# KiCad board Rogelio Pineda part 3-AMLDC-2044B.kicad_pcb (continued)
## Routing (per net, layer and track width the routed paths; a pad name or vN(x,y) marks a point on that pad's centre or on a via; arc(x,y) is an arc through that point) (continued)
+V TERM: length 42.2
  Top w0.15: 86.27,150.64 87.29,152.64 87.77,153.92 88.35,155.44 88.66,156.98 89.05,158.75 ; J2.13 81.24,141.72 81.92,141.98 82.46,142.14 83.04,142.46 84.26,143.39 85.37,144.49 85.91,144.96 86.53,145.67 87.57,146.69 89,147.87 v1(90.17,148.82) 90.13,148.93 ; 86.32,150.77 86.12,150.25 85.56,149.36 84.89,148.1 84.12,147.15 83.12,146.21 81.9,145.62 80.61,144.84 J2.11 ; 89.05,158.63 89.63,161.23 89.9,162.55 v1(90.09,163.23) 90.09,163.35
/A77: length 20.5
  Top w0.15: 87.95,220.53 87.36,221.45 87,221.98 85.43,224.27 83.93,226.2 83.09,227.22 82.31,227.86 81.93,228.18 81.11,228.58 80.32,228.77 76.05,228.77 J1.77 ; 87.9,220.61 88.41,219.36 88.58,218.36 88.79,216.4 R36.1
/B49: length 56.8
  Top w0.15: 89.19,47.82 89.21,47.85 v1(89.24,47.85) 89.24,47.87 89.86,48.82 90.09,49.23 90.52,49.77 90.73,50.13 91.09,50.56 92.09,52.39 92.69,53.07 93.21,54.17 94.19,56.56 94.25,57.35 94.29,58.21 94.34,59.42 94.27,60.21 94.07,63.13 93.85,64.09 93.77,64.61 93.78,64.6 93.42,67.77 93.37,68.59 93.37,69.75 93.46,70.9 93.58,72.42 93.67,73.41 93.78,74.5 94.07,77.1 94.05,77.74 94.12,78.11 93.93,79.44 93.75,80.72 93.25,82.02 92.84,82.88 92.21,83.98 91.91,84.35 90.44,86.39 90.23,86.6 89.68,87.23 88.75,87.8 88.27,88.12 87.19,88.36 85.54,88.24 85.15,88.09 84.22,87.61 84.02,87.43 83.84,87.23 v1(83.49,87.01) 82.6,86.35 82.15,85.72 80.74,84.84 J2.49
/C14p2: length 7.6
  Top w0.15: C14.2 222.79,355.79 222.79,355.28 222.08,353.87 220.62,351.37 R29.1
/C31p2: length 3.2
  Top w0.25: C31.2 143.58,344.81 R94.2
/C58p1: length 1.9
  Top w0.25: C58.1 125.48,315.88 R71.1
/C58p2: length 20.8
  Top w0.15: C58.2 132.18,312.99 C59.2 132.12,311.22 131.92,307.23 131.92,300.62 C60.2 132.09,296.75 132.09,296.06 C61.2
/C59p1: length 1.7
  Top w0.25: C59.1 125.78,313.03 R51.1
/C60p1: length 2
  Top w0.25: R53.1 125.56,298.26 C60.1
/C61p1: length 2
  Top w0.25: R33.1 125.56,295.09 C61.1
/Pad6p6: length 2.6
  Top w0.15: 273.98,260.84 273.98,260.93 v1(274,260.96) 273.98,260.98 273.98,262.12 273.97,262.13 274.23,262.39 UG4.6
/Pad14p14: length 6.1
  Top w0.15: C12.2 269.12,274.15 267.88,273.95 267.4,273.71 267.39,273.7 267.04,273.37 266.84,273.05 266.61,272.61 UG4.14
/Pad15p15: length 2.7
  Top w0.15: C12.1 264.07,273.3 UG4.15
/Pad77: length 0.1
  Top w0.15: 88.78,213.63 R35.2
/R9p2: length 5
  Top w0.15: R9.2 162.36,316.87 161.19,315.69 160.58,314.84 C43.1
/R10p2: length 3.2
  Top w0.25: 143.38,334.03 143.43,334.09 v2(143.43,334.13) 143.48,334.13 143.53,334.19 R10.2
/R13p2: length 1.9
  Top w0.15: C15.1 201.71,332.03 R13.2
/R34P1: length 23
  Top w0.15: R34.1 86.23,203.27 87.21,202.24 87.76,201.38 R35.1 89.8,198.47 90.3,197.66 90.56,197.23 R15.1 92.59,194.25 92.66,194.11 R16.1 93.93,183.4 v1(94.06,183.26) 94.19,183.14
/R50P2: length 17
  Top w0.15: CR3.1 182.07,344.92 181.95,340.12 181.89,339.37 181.88,339.24 C28.2 181.05,337.02 179.26,334.96 178.43,333.65 177.18,331.71 v1(177.04,330.11)
/R56P2: length 14.5
  Top w0.15: R92.2 93.1,223.94 91.87,225.55 R17.2 90.38,227.87 90.08,228.36 ; R56.2 85.93,234.11 87,232.93 87.53,232.08 88.78,230.45 R36.2 90.23,228.13
/UG4A: length 5.7
  Top w0.15: 280.39,260.79 280.28,260.68 v1(280.2,260.68) 280.2,260.59 279.52,260.61 277.87,260.73 277.35,261.08 277.32,261.08 277.15,261.42 276.85,261.95 276.77,262.03 UG4.7
B1p2: length 12.5
  Top w0.25: UB1.2 150.32,354.74 148.73,355.99 147.58,356.38 146.48,356.29 145.18,355.79 143.65,354.65 R38.2 143.65,351.2 C45.2
B1p3: length 54.5
  Top w0.2: UE1.3 153.85,304.21 154.36,307.01 154.51,312.99 154.42,314.35 154.79,317.25 155.46,319.23 UD1.4 155.8,321.95 155.79,323.51 155.6,323.88 155.62,324.15 154.79,325.47 154.36,326.27 154.36,329.67 154.4,330.6 154.44,330.11 154.44,336.69 154.37,336.76 154.37,344.87 154.39,344.89 154.47,348.16 154.67,349.74 153.69,352.27 152.86,353.01 UB1.3
B1p9: length 6.4
  Top w0.25: UB1.9 160.48,362.3 160.95,362.77 160.97,363.01 R77.2 164.88,364.49 C16.1
B1p10: length 11.9
  Top w0.25: 157.94,361.32 158.25,363.17 157.15,364.5 156.27,364.8 155.25,364.91 153.91,364.94 R77.1
B1p12: length 38.3
  Top w0.25: UD1.8 163.11,329.38 161.1,330.68 159.71,332.04 159.37,333.32 159.23,336.84 159.32,342 159.37,350.93 159.16,356.14 158.53,357.38 157.31,358.08 154.79,359.01 153.41,360 UB1.12
B1p13: length 33.9
  Top w0.25: UB1.13 151.62,357.58 151.53,351.74 151.48,350.61 151.16,348.64 151.74,345.34 151.97,343.54 151.85,343.42 151.85,331.78 151.76,331.7 152,330.19 152.92,329.13 UD1.12
B2p4: length 7.4
  Top w0.15: UB2.4 196.15,352.75 195.72,352.48 195.18,351.37 194.52,350.72 193.87,350.45 193.01,350.13 R70.1
B2p5: length 11.3
  Top w0.15: UB2.5 198.78,352.48 199.1,352.05 199.64,351.28 200.69,349.88 201.2,349.52 202.18,348.68 202.24,348.68 202.24,348.47 C13.1 R70.2
B2p10: length 8.7
  Top w0.15: UB2.10 198.69,362.74 199.28,363.31 200.09,363.96 200.7,364.23 201.5,364.48 201.5,364.49 R91.2 204.15,364.29 C30.1
B2p11: length 8.1
  Top w0.15: R91.1 191.99,364.62 192.96,364.62 193.73,364.6 194.61,363.96 196.15,362.79 UB2.11
B2p13: length 50.7
  Top w0.15: UD2.13 191.07,328.38 190.95,328.73 190.97,329.14 190.72,329.87 190.31,331.04 190.24,331.63 189.88,334.62 189.79,334.71 189.79,338.17 189.81,338.2 189.88,344.51 189.36,347.59 189.25,349.09 189.38,350.26 189.5,351.51 189.84,352.94 189.88,355.65 190.81,356.85 192.3,357.8 ; 192.78,356.65 193.44,356.85 193.93,357.01 196.36,357.83 198.92,358.44 200.59,359.66 201.04,361.24 UB2.9 ; 192.78,356.65 192.89,356.24 193.23,355.31 UB2.3 ; 192.78,356.65 192.39,357.65 192.3,357.8 ; 192.3,357.8 192.12,358.08 191.81,359.21 191.53,360.07 UB2.13
B3p6: length 11.1
  Top w0.25: UB3.6 UB3.5 239,350.5 237.73,349.24 234.83,349.24 233.92,350.14 UB3.3
B3p8: length 16.7
  Top w0.25: UB3.8 UB3.9 241.54,358.1 239.83,356.38 235.13,356.38 233.92,357.6 UB3.12 UB3.13
B3p10: length 2.5
  Top w0.25: UB3.10 UB3.11
B4p1: length 23.8
  Top w0.15: UC4.9 273.81,343.4 272.78,344.61 271.83,345.22 270.96,346.3 270.92,347.88 271.15,349.5 UB4.5 271.5,351.7 269.87,353.42 268.24,353.83 267.64,353.91 264.49,353.85 263.95,353.68 263.52,353.46 262.97,353.16 262.67,352.91 262.52,352.71 261.72,352.05 261.72,351.39 UB4.1 261.34,351.48
B4p6: length 4.4
  Top w0.15: C42.1 273.17,348.02 273.57,348.98 UB4.6
B4p7: length 4.8
  Top w0.15: C42.2 278.1,347.91 276.64,349.95 UB4.7
B4p10: length 33.4
  Top w0.15: UB4.10 275.91,356.74 275.35,355.09 275.32,349.9 275.35,349.88 275.35,345.89 275.37,345.87 275.37,340.45 275.35,330.93 274.98,329.66 274.53,328.08 274.4,327.89 UD4.9
B4p14: length 6.5
  Top w0.15: C41.2 269.67,362 267.68,361.64 266.63,360.73 266.43,358.64 UB4.14
B4p15: length 2.9
  Top w0.15: 264.12,361.39 C41.1 264.08,358.83 UB4.15
B5p1: length 33.9
  Top w0.15: 298.66,317.74 299.5,319.02 299.8,320.78 300.13,322.07 300.2,323.33 300.24,323.87 300.23,324.61 300.11,325.25 300.13,325.72 300.15,326.56 299.45,329.02 299.59,329.46 299.84,331.02 300.22,332.56 300.25,346.05 300.26,346.07 ; 300.25,345.83 300.26,346.38 299.88,347.91 299.56,349 299.25,349.45 298.98,349.64 UB5.1
B5p2: length 9.1
  Top w0.15: UB5.2 301.52,349.67 301.56,349.45 301.66,348.87 301.96,347.61 301.8,344.9 301.59,343.66 301.32,341.58
B5p10: length 7.7
  Top w0.15: UB5.10 308.98,357.01 308.91,351.82 309.14,350.56
B6p6: length 7.7
  Top w0.15: UB6.6 356.23,351.54 356.05,351.98 355.97,356.84 356.23,358.19
B6p11: length 9.5
  Top w0.15: 346.07,350.56 346.43,352.01 346.64,352.58 347.37,353.3 349.05,354.41 349.73,355.17 350.23,355.79 350.31,356 350.77,357.07 UB6.11
B8p12: length 9.3
  Top w0.15: UB8.12 421.21,356.68 420.44,355.71 420.44,355.68 419.95,355.29 418.99,354.35 418.35,353.62 417.69,352.7 417.13,351.36 416.76,350.21
B15: length 17.4
  Top w0.15: 90.47,146.58 90.44,146.54 v1(90.44,146.5) 90.4,146.5 89.97,146.08 88.65,143.77 86.8,141.94 86.46,141.5 86.04,141.13 85.56,140.73 84.95,140.09 83.5,139.31 81.73,138.75 77.11,138.62 J2.15
B19: length 15.2
  Top w0.15: 91.67,133.64 v1(91.48,133.64) 91.21,133.64 89.67,133.58 88.55,133.38 88,133.21 86.83,133.11 85.48,132.96 84.22,132.79 81.68,132.46 J2.19
B23: length 16.5
  Top w0.15: 84.68,128.06 86.62,128.96 89.15,130.09 90.04,130.39 90.98,130.93 v1(91.71,131.24) 91.71,131.28 ; J2.23 81.65,126.32 82.75,126.94 83.64,127.45 84.82,128.15
B25: length 17.2
  Top w0.15: J2.25 81.17,122.81 82.33,123.06 83.53,123.53 ; 91.9,128.96 91.83,128.96 v1(91.75,128.88) 91.67,128.96 90.88,128.67 89.91,127.89 89.41,127.57 88.75,127.24 88.23,126.99 87.81,126.64 87.05,125.97 86.26,125.38 84.42,124.09 83.51,123.52
B27: length 17.6
  Top w0.15: 87.65,122.16 87.37,121.96 85.6,120.66 83.38,119.97 81.6,119.6 J2.27 ; 87.56,122.09 89.15,123.83 89.91,124.61 90.11,124.83 90.63,125.35 v1(91.83,125.99) 91.9,126.02
C0p5: length 28.2
  Top w0.25: UC0.5 122.28,340.44 123.01,342.31 123.93,344.54 123.18,348.54 120.63,352.34 117.29,355.19 R19.1
C0p9: length 17.6
  Top w0.25: 122.64,344.71 122.17,345.49 121.93,346.38 121.23,347.33 120.78,347.69 119.18,348.49 117.18,348.88 114.03,349.38 R49.1 111.18,353.04 CR1.1
C2p2: length 4.3
  Top w0.15: UC2.2 190.98,337.22 191.04,337.93 191.1,339.83 191.08,339.85 v1(191.08,339.96) 190.97,339.96 190.95,339.99
C2p6: length 8.5
  Top w0.15: C15.2 206.91,332.63 206.27,332.72 203.96,333.1 202.22,333.99 201.61,334.51 201.14,334.97 UC2.6
C2p13: length 12.3
  Top w0.15: UC2.13 196.06,343.02 197.42,341.66 198.21,341.34 199.05,341.28 200.12,341.14 202.08,341.19 204.42,341.25 205.1,341.48 205.82,342.25 UC2.9
C2p14: length 6.2
  Top w0.15: C29.2 196.15,347.21 194.55,345.92 194.09,345.4 193.52,344.44 UC2.14
C3p5: length 30.9
  Top w0.15: UC3.5 239.21,335.81 239.68,334.92 240.1,332.69 240.19,330.71 240.19,328.13 240.21,328.1 240,326.8 238.51,324.87 236.14,323.85 235.21,322.77 235,314.32 234.67,313.02 234.35,311.46 234.18,310.56 233.99,309.9 UE3.12
C3p9: length 13.8
  Top w0.15: UC3.2 231.9,338.54 232.21,339.34 233.39,340.65 235.66,341.27 238.92,341.89 240.29,342.58 240.94,343.51 UC3.9
C3p13: length 5.6
  Top w0.15: 230.1,339.62 230.04,339.56 v1(230.04,339.66) 230.13,339.66 230.47,340.8 230.94,342.58 231.06,342.95 UC3.13
C4p1: length 11.5
  Top w0.15: UC4.1 261.53,334.85 262.39,335.78 262.67,337.77 262.89,338.43 262.91,339.84 262.98,340.6 v1(262.81,345.42) 262.81,345.47 262.85,345.51
C4p3: length 16.8
  Top w0.15: UD4.2 264.47,319.8 264.89,320.91 265.22,323.31 265.35,324.06 265.47,326.48 265.39,326.56 265.39,328.92 265.35,329.55 265.39,331.55 265.98,332.63 UC4.3
C4p5: length 9.2
  Top w0.15: UC4.5 271.35,332.84 270.9,331.76 270.39,330.29 269.77,328.73 269.45,327.5 UD4.11
C4p13: length 7.6
  Top w0.15: UC4.13 264.15,341.14 264.17,338.14 UC4.2
C5p3: length 19.8
  Top w0.15: 308.82,317.74 309,318.97 309.03,319.5 309.03,319.51 309.25,320.38 309.36,320.99 309.71,321.71 309.79,322.72 v1(310,323.05) 310.02,323.07 310.09,327.36 310,328.12 309.62,329.19 309,329.87 308.22,330.32 307.76,330.54 306.94,330.65 306.26,330.88 305.48,331.24 304.32,332.31 304.11,333.12 UC5.3
C5p4: length 39.4
  Top w0.15: 313.9,325.36 313.5,327.52 313.02,329.06 310.61,330.58 309.78,331.03 308.26,331.77 307.86,332.14 307.81,332.14 306.87,333.08 306.87,333.49 UC5.4 306.4,335.21 306.42,335.23 305.96,336.52 305.61,337.43 305.16,337.98 305.13,338.04 304.57,338.29 303.68,338.26 302.7,337.55 302.69,332.46 302.83,329.36 302.66,328.03 302.52,323.69 302.32,322.92 302.14,321.59 302,321.22 301.82,320.15 301.55,318.68 301.2,317.74
C6p11: length 8.7
  Top w0.15: UC6.11 350.95,342.97 350.53,343.74 350.09,344.19 349.57,344.65 348.68,344.89 348.09,344.99 347.25,345.11 345.21,345.18 v1(344.67,344.94) 344.63,344.89
C7p5: length 18.5
  Top w0.15: UC7.5 389.77,333.15 389.46,332.37 389.14,331.98 388.78,331.35 388.24,330.56 388.07,330.34 387.77,329.9 387.55,329.54 387.08,328.75 386.77,327.6 386.61,326.66 386.73,326.06 386.66,325.61 386.36,324.1 385.84,322.98 385.3,321.77 384.4,320.37 383.95,319.45 383.57,318.91 382.72,317.56
C7p11: length 26.8
  Top w0.15: UC7.11 388.48,340.78 389.2,339.76 390.08,338.65 390.27,338.25 390.99,337.19 391.59,335.56 391.68,334.85 391.62,332.24 391.5,331.57 391.32,330.67 391.06,330.06 390.49,329.09 389.29,327.52 389.08,325.86 389.08,325.23 389.08,323.85 388.69,322.86 387.7,321.16 387.23,320.55 386.96,320.07 386.43,319.37 385.88,318.7 385.26,317.56
C7p12: length 7.7
  Top w0.15: 385.46,333.92 385.61,335.73 385.71,340.3 385.71,341.29 UC7.12
C7p13: length 13.6
  Top w0.15: 385.13,328.44 v1(385.13,328.46) 384.94,329.12 384.91,329.31 384.65,330.64 384.42,331.48 384.24,332.89 384.29,335.29 384.33,338.02 384.25,338.67 383.97,340.06 382.92,341.33 UC7.13
C8p5: length 19
  Top w0.15: UC8.5 426.71,332.83 427.46,331.88 428.03,331.23 428.73,330.49 429.39,329.75 429.95,328.81 430.07,327.73 430.34,326.78 430.47,324.72 429.71,323.26 428.5,321.54 427.65,320.18 427.37,319.66 426.77,318.79 426.79,317.37
C8p8: length 19.6
  Top w0.15: UC8.8 430.73,340.7 430.37,340.35 429.72,339.87 428.32,338.69 427.67,338.4 426.62,337.74 426.3,337.41 426,337.06 425.53,336.24 425.22,335.77 425.07,331.84 424.83,330.85 424.68,329.95 424.36,328.47 424.24,327.77 424.25,324.99
C8p10: length 17.8
  Top w0.25: UB8.11 426.11,355.71 427.41,354.13 427.93,351.31 428.13,350.29 427.78,347.26 427.48,345.81 427.28,344.79 426.84,341.29
D0p2: length 12
  Top w0.2: UD0.2 112.38,321.28 112.1,322.7 111.58,325.78 111.28,327.74 111.25,329.57 111.53,330.32 v1(112.39,332.12) 112.48,332.15
D0p3: length 7.5
  Top w0.2: UD0.3 114.66,318.84 114.15,318.02 113.46,317.39 112.74,316.88 111.37,316.16 110.49,316.25 R71.2
D0p9: length 43
  Top w0.25: UD0.13 113.23,327.34 113.83,326.34 114.98,325.84 121.73,325.69 ; 121.73,325.69 UD0.9 ; 121.73,325.69 121.28,324.28 120.53,321.94 120.39,320.96 UD0.5 121.88,312.49 122.43,311.24 122.58,310.69 122.64,310.63 122.64,309 122.03,307.94 121.43,307.13 120.68,306.74 119.93,306.59 119.18,306.53 118.03,306.49 115.88,306.53 113.93,306.88 112.48,308.34 112.48,309
D0p10: length 8.4
  Top w0.25: UD0.10 120.28,330.44 121.63,331.84 v2(123.83,332.13) 123.93,332.13 v2(125.73,332.19) 125.78,332.19
D1p3: length 40.1
  Top w0.15: UF1.4 155.23,284 154.9,284.56 154.84,284.66 154.44,285.02 153.52,285.95 152.53,287.29 151.78,288.87 151.84,290.68 151.94,290.78 151.61,297 151.18,297.89 150.89,301.17 UE1.2 151.38,304.17 151.91,306.93 151.88,311.34 151.84,314.33 151.94,317 152.92,319.32 UD1.3
D1p9: length 66.2
  Top w0.15: 155.71,266.06 158.32,269.46 159.34,271.57 159.57,275.55 158.35,277.92 157.96,278.75 157.58,279.49 157.19,281.03 156.92,281.81 156.92,285.92 156.91,285.91 156.92,286.33 156.92,293.16 157,293.24 156.49,296.09 156.49,298.02 157.29,300.13 UE1.5 157.55,303.66 157.06,305.2 156.87,310.81 155.69,312.67 155.46,314.69 155.72,316.22 156.55,317.67 158,319.11 UD1.5 158.6,322.15 159.41,323.82 v1(159.62,324.75) UD1.9
D2p2: length 4.6
  Top w0.15: C44.1 190.07,317.63 191.07,318.63 UD2.2
D2p4: length 56.7
  Top w0.15: 193.52,332.49 192.65,333.75 192.47,334.22 192.42,334.27 192.42,346.5 192.69,347.04 193,347.68 194.02,348.85 194.16,348.98 194.68,349.54 195.92,350.38 197.03,350.57 198.44,350.2 200.75,347.78 v1(200.63,347.61) 200.75,347.59 ; 194.95,304.2 194.93,304.22 v1(194.93,304.28) 194.86,304.28 194.84,304.3 194.84,311.45 194.49,312.34 194.18,313.31 193.17,314.88 193.27,316.14 193.93,317.14 195.21,318.25 195.88,318.54 195.88,319.09 UD2.4 196.06,319.45 196.06,320.48 195.86,321.64 195.71,322.49 195.36,323.6 195.13,324.68 195.03,324.78 195.03,330.03 194.06,331.62 193.46,332.55
D2p5: length 49.2
  Top w0.15: 195.03,297.9 193.79,296.59 192.53,294.61 192.22,287.13 192.19,286.39 192.19,283.27 192.35,282.82 192.74,279.9 193.16,278.8 194.69,276.59 196.15,275.04 UG2.11 ; 195.03,297.9 197.23,300.18 197.44,302.76 197.44,308.46 197.39,309.09 197.41,315.25 198.18,316.76 ; 195.03,297.9 195,297.77 ; 198.07,316.73 198.52,318.31 UD2.5
D3p6: length 7.9
  Top w0.15: UD3.6 240.89,318.31 239.96,315.96 239.61,315.54 239.14,314.21 C27.1
D3p7: length 7.7
  Top w0.15: C27.2 245.01,314.75 244.68,316.42 244.31,317.93 244.12,318.77 UD3.7
D3p10: length 11.2
  Top w0.15: UD3.10 243.42,326.8 242.38,325.59 240.63,324.31 238.65,323.17 236.88,321.91 UD3.4
D3p14: length 6.1
  Top w0.15: C25.2 236.28,331.67 235.12,330.98 ; UD3.14 233.76,329.27 235.2,331.03
D3p15: length 3.5
  Top w0.15: UD3.15 231.22,329.11 231.27,329.48 C25.1
D5p6: length 5.8
  Top w0.15: UD5.6 311,317.38 310.88,316.18 310.05,315.4 310.05,315.38 309.54,315.12 309.35,315.09 308.66,315.09 308.65,315.09 307.23,315.09
D5p7: length 2.7
  Top w0.15: 313.58,315.09 313.72,316.47 UD5.7
D5p14: length 5.8
  Top w0.15: 307.53,328.09 306.53,328.59 305.4,328.15 304.85,327.77 304.42,327.29 304.04,326.84 303.74,326.52 UD5.14
D7p5: length 11.7
  Top w0.15: UD7.5 390.51,316.14 390.67,315.54 390.96,314.36 391.3,313.1 391.38,312.53 391.69,311.42 391.9,310.79 392.02,310.24 392.27,308.86 392.45,308.36 392.53,307.99 392.61,307.24 392.78,306.13
D7p10: length 20.7
  Top w0.15: 395.32,306.13 395.04,307.38 394.93,308.3 ; UD7.10 390.34,324.89 391.03,324.37 391.81,323.48 392.09,323.08 392.35,322.79 392.75,322.33 393.26,321.57 393.65,320.89 393.86,320.32 394.11,319.4 394.09,314.82 394.15,314.03 394.28,313.32 394.31,312.31 394.41,311.63 394.5,311.15 394.64,310.17 394.8,309.1 394.97,308.01
D7p12: length 13.1
  Top w0.15: UD7.12 384.9,324.82 384.76,324.15 384.21,323.47 383.86,323.24 383.56,322.94 383.13,322.51 382.08,320.95 381.94,319.93 381.98,318.5 381.51,318.19 381.73,316.74 381.95,316.58 381.93,315.94 v1(381.81,313.73) 381.93,313.67
D8p9: length 13.4
  Top w0.15: 419.17,317.37 419.5,318.46 419.76,318.96 420.46,319.58 422.24,320.44 423.13,320.7 424.84,321.15 426.45,321.82 427.77,322.93 428.23,323.59 428.45,324.1 UD8.9
DCHI: length 244.4
  Top w0.15: v1(102.46,322.01) 103.17,320.96 103.57,319.72 104.39,316.48 104.41,315.2 104.45,314.68 104.42,314.38 104.39,312.39 103.93,310.59 101.37,306.07 99.86,303.66 99.33,302.19 98.88,298.9 98.57,296.29 98.5,295.92 98.37,295.36 97.76,293.26 97.44,292.18 97,290.84 96.45,289.08 95.65,285.56 95.53,273.14 95.57,271.02 96.66,268.43 96.86,268.19 97.07,267.78 99.62,263.57 100.16,261.38 100.36,260.22 100.68,254.57 101.17,253.15 101.06,248.38 100.43,245.5 100.43,242.21 100.37,242.14 100.54,231.96 100.57,230.21 101.05,226.69 102.04,224.69 101.96,224.79 103.22,222.91 104.58,219.19 104.72,218.94 104.72,216.45 ; 104.72,216.53 104.75,213.77 104.74,213.4 104.59,206.99 104.45,203.03 104.17,200.04 104.01,198.56 103.73,196.16 103.62,195.65 103.27,193.25 102.96,191.21 102.98,191.3 102.79,190.04 102.52,188.24 101.97,184.83 101.76,183.84 101.45,181.94 101.16,180.84 100.95,179.86 100.49,176.41 100.37,174.46 100.43,173.74 100.7,171.22 100.96,169.92 101.18,167.39 101.3,165.16 101.65,161.72 101.79,158.58 101.79,156.52 101.6,155.83 101.53,154.71 100.77,152.62 100.04,150.78 99.48,149.57 98.53,147.66 97.48,145.44 96.91,143.8 96.82,142.69 96.98,140.9 97.62,138.48 97.74,137.74 97.82,137.15 97.99,136.32 98.16,135.2 98.11,132.25 97.94,130.86 97.34,127.78 96.82,125.18 96.95,121.74 96.98,121.71 97.11,119.45 97.18,118.99 97.38,116.49 97.36,115.79 97.44,115.11 97.61,111.15 97.58,108.51 97.68,106.69 97.5,105.7 96.75,104.99 95.9,104.63 95.1,104.45 92.86,104.2 92.12,104.15 90.79,104.04 90.13,104.04 89.53,104.05 89.02,104 88.23,103.97 87.7,103.88 86.3,103.7 86.26,103.67 85.68,103.68 84.58,103.55 83.99,103.51 77.18,103.51 J2.37
DCHO: length 238.1
  Top w0.15: 102.16,200.27 102.44,202.93 102.54,203.93 102.66,205.01 102.78,206.64 102.8,207.08 102.8,212.48 102.78,213.05 102.74,214.09 102.75,217.95 102.49,219.22 101.17,222.52 100.77,223.41 100.4,224.01 100,224.87 99.24,226.27 98.9,227.64 98.86,227.84 98.53,231.35 98.64,234.96 98.53,239.12 98.53,239.71 98.56,240.29 98.65,245.58 98.72,246.01 99.07,247.26 99.22,247.63 99.37,249.21 99.37,250 99.24,251.27 ; 99.24,251.16 99.08,253.96 98.98,254.64 98.8,256.69 98.57,257.59 98.39,258.49 97.36,260.58 96.86,261.29 96.26,262.36 96.29,266.29 96.07,266.91 95.5,268.6 95.14,269.93 94.78,270.96 94.8,285.79 94.95,286.59 95.22,288.68 95.53,289.81 95.91,291.53 97.02,294.62 97.43,296.27 97.56,296.93 97.56,297.76 97.78,298.33 97.85,299.65 98.04,301.79 99.33,305.35 99.73,306.13 100.59,307.98 100.89,308.67 101.65,310.25 101.71,310.72 101.89,311.28 101.79,312.56 101.71,312.97 101.65,314.16 101.25,316.04 100.76,318.44 100.62,318.89 100.4,320.19 100.28,322.04 100.66,323.73 100.83,324.15 101.18,325.1 v1(101.16,325.12) 101.18,325.15 101.18,325.18 ; J2.33 81.82,109.88 85.97,110.01 89.74,110.2 92.01,110.29 93.35,110.51 93.65,110.62 94.64,110.89 95.38,111.59 95.69,113.13 95.51,116.1 95.32,116.93 94.89,121.87 94.8,123.85 95.27,127.38 95.69,129.37 96,131.26 96.21,132.46 96.22,135.62 95.06,140.76 94.78,142.86 94.96,143.94 95.55,145.41 95.94,146.83 96.63,148.01 97.15,149.16 97.8,150.63 98.44,152.04 98.7,152.82 98.99,153.51 99.35,154.23 99.9,156.54 99.86,157.49 99.87,158 99.79,159.52 99.79,160.54 99.78,160.7 99.72,162.06 99.63,162.88 99.59,163.72 99.02,169.45 98.62,172.22 98.55,172.77 98.42,174.1 98.39,174.75 98.47,175.53 98.48,176.33 99.55,183.41 99.96,185.74 100.37,187.94 100.8,190.78 101.23,193.59 101.5,195.3 101.64,196 102.05,199.6 102.18,200.46
DISK0 ACT: length 35.1
  Top w0.15: 92.43,282.58 v1(92.31,282.46) 91.94,281.11 91.15,278.98 90.04,275.76 89.35,273.79 88.43,271.1 87.11,267.41 86.43,265.68 85.52,263.4 83.99,260.17 83.72,259.82 83.29,259.14 80.92,255.71 79.68,254.46 J1.61
DISK1: length 28.5
  Top w0.15: 87.68,207.65 86.32,209 86.15,209.29 85.8,209.75 84.51,211.31 84.18,211.68 83.89,212.07 83.53,212.75 82.93,213.79 82.42,214.6 81.97,215.11 81.82,215.23 80.66,215.91 76.02,216.09 J1.85 ; 87.6,207.73 88.87,206.14 89.24,205.79 89.85,205.1 90.23,204.63 91.07,203.67 91.69,202.95 92.08,202.57 93.64,201.01 95.02,199.9 95.51,199.46 v1(96.28,199.07) 96.39,199.18
DISK2: length 26.7
  Top w0.15: R16.2 92.22,206.86 90.43,207.89 89.07,209.26 88.27,210.12 87.54,211.35 86.7,212.63 ; 83.84,217.38 83.06,218.63 82.71,219.66 81.91,220.74 81.58,221.14 81.11,221.89 80.23,222.46 J1.81 ; 83.89,217.28 84.37,216.45 85.14,214.95 85.92,213.7 86.95,212.29
DISK NEW REQ: length 34.7
  Top w0.15: J1.59 75.78,257.61 80.35,258.39 81.82,259.1 83.35,261.21 84.24,263.59 85.11,266.27 85.86,269.58 86.16,270.76 87.42,275.56 88.34,277.96 88.97,279.97 89.3,280.74 89.69,282.32 90.86,283.96 v1(92.13,285.07) 92.13,285.13
DISK PRES REQ: length 34.5
  Top w0.15: J1.57 79.94,261.24 80.52,261.26 81.28,261.5 82.74,262.92 83.21,264.28 83.87,266.14 84.35,268.18 85.9,274.24 86.35,275.6 86.8,277.15 87.14,278.25 87.56,279.1 88.03,280.49 88.35,281.5 89.54,284.51 90.15,285.21 90.43,285.54 91.14,286.39 91.4,286.65 92.26,287.63 v1(92.26,287.65) 92.29,287.65 92.3,287.67
DISK WR DATA: length 62.8
  Top w0.15: 92.56,269.4 92.56,269.34 v1(92.5,269.28) 92.56,269.22 92.56,269.1 92.16,269.07 91.64,268.88 91.25,268.4 90.92,268.15 88.42,265.42 88.09,264.91 87.52,263.97 86.57,262.29 85.1,259.47 83.69,257.31 82.83,255.58 81.68,253.79 79.18,251.28 J1.63 ; 95.8,248.54 95.04,247.66 94.82,247.49 94.28,247.12 91.67,245.15 90.86,244.59 89.75,243.76 87.67,242.11 85.9,240.79 85.42,240.44 83.39,238.75 82.62,238.4 82.11,238.29 81.39,238.24 76,238.34 J1.71 ; 95.7,248.44 96.05,248.79 96.25,249.22 96.55,250.7 96.5,251.82 96.47,252.26 96.53,252.6 96.44,253.3 96.41,253.74 96.23,255.08 95.82,255.59 95.46,256.2 95.12,256.65 94.69,257.11 94.57,257.34 93.58,258.81 93.23,259.28 v1(92.95,259.66) 92.88,259.59
DSK SEL: length 28.8
  Top w0.15: J1.67 75.89,245.06 80.18,245.06 80.18,245.56 81.19,246.23 ; 92.76,264.54 v1(92.79,264.41) 92.47,263.89 91.89,263.35 91.7,263.29 91.51,263.14 91.12,262.66 89.64,261.29 89.07,260.82 88.23,259.82 86.64,258.14 85.78,256.87 85.37,256.14 84.95,255.61 83.66,252.63 83.65,251.89 83.53,251.05 83.46,250.45 ; 81.15,246.19 82.36,247.4 82.87,248.11 83.05,248.43 83.3,249.63 83.47,250.54
DSK ~{RST}: length 28.1
  Top w0.15: 91,215.64 90.69,217.68 90.38,219.05 89.94,220.6 88.7,222.99 88.3,223.72 87.6,224.79 86.84,226.13 86.66,226.38 85.78,227.55 84.62,228.89 83.61,230.11 80.79,231.77 80.28,231.84 J1.75 ; 90.97,215.83 91.05,215.01 91.11,214.58 R17.1
E0p3: length 6.7
  Top w0.25: R53.2 111.51,298.3 113.44,299.14 114.43,299.7 115.02,300.29 UE0.3
E0p6: length 11.6
  Top w0.25: UF0.9 122.47,290.95 122.08,293.98 122,295.73 121.99,297.17 122.29,301.03 122.64,301.38
E0p11: length 9.6
  Top w0.25: 117.56,309 117.56,310.69 117.22,310.88 116.34,311.6 114.78,312.57 112.82,312.99 112.78,313.03 R51.2
E1p8: length 37.5
  Top w0.15: UG1.9 160.79,275.14 160.74,275.19 160.45,276.95 159.84,278.55 159.55,280.56 159.46,280.65 159.46,282.86 159.53,282.93 159.53,284.36 159.62,284.45 159.62,287.64 159.42,287.84 159.42,291.2 159.53,291.8 159.53,299.04 159.46,299.1 159.49,299.12 159.49,301.59 159.46,302.97 159.53,303.92 160.06,304.84 160.76,305.77 162.92,308.23 162.92,308.74 UE1.8
E1p9: length 6.9
  Top w0.15: UE1.9 160.59,309.25 160.59,310.29 159.57,311.04 159.28,311.11 158.39,311.96 157.73,312.46 v1(157.24,314.4) 157.2,314.37
E2p12: length 21.2
  Top w0.15: UE2.12 193.4,309.95 193.78,310.33 193.32,311.75 192.76,313.56 192.01,315.24 191.99,316.92 192.37,319.41 192.35,321.4 192.39,321.96 v1(192.39,329.78) 192.44,329.87
E2p13: length 4.7
  Top w0.15: UE2.13 190.86,310.16 191.06,310.36 191.02,310.4 v1(190.98,313.77) 191.02,313.81
E3p1: length 13.4
  Top w0.15: 230.38,314.29 v1(230.27,314.33) 230.3,306.79 229.99,305.16 229.92,304.43 229.48,302.92 228.91,302.54 UE3.1
E3p2: length 37.5
  Top w0.15: UG3.3 233.64,267.77 233.43,268.44 233,270.28 232.79,272.19 232.76,272.57 232.64,278.31 232.64,279.17 ; UE3.2 231.93,300.96 232.16,300.05 232.81,299.05 233.19,298.19 233.85,296.71 234.96,293.91 235.35,290.95 234.78,287.93 233.63,286.34 232.8,284.01 232.62,278.87
E4p3: length 9.5
  Top w0.15: UE4.3 266.76,300.05 267.47,300.59 268.15,301.47 268.66,301.78 269.34,302.09 271.27,302.71 273.84,302.79 v1(274.2,302.79) 274.22,302.8
E4p4: length 12.7
  Top w0.15: UF4.13 264.27,288.83 264.35,289.17 264.8,290.52 265.49,291.89 266.2,292.9 267.65,295.31 268.48,297.26 UE4.4
E4p6: length 37.1
  Top w0.15: UE4.6 274.1,298.6 274.1,294.65 273.99,294.28 273.95,294.2 273.95,293.45 v1(273.93,293.43) 273.95,293.4 274.23,292.7 275,291.3 275.43,289.85 275.51,288.13 275.58,285.37 275.43,285.11 275.45,282.06 275.58,279.77 275.51,275.29 275.45,274.78 275.45,271.9 275.4,270.58 275.32,270.15 275.09,269.34 275.04,268.92 274.79,268.29 273.51,266.28 272.37,264.88 UG4.5
E4p11: length 5.6
  Top w0.15: UE4.11 269.3,307.4 268.86,307.84 268.86,311.61 v1(268.95,311.61) 268.95,311.7 269.03,311.78
E5p4: length 20.2
  Top w0.15: 311.53,279.56 311.03,281.19 310.59,282.36 310.23,284.07 310.15,286.25 309.98,289.54 309.59,290.6 309.15,291.8 308.75,292.7 308.22,293.92 307.83,294.98 307.43,296.21 306.98,297.08 306.7,298.03 UE5.4
E5p9: length 42.5
  Top w0.15: UE5.9 311.84,305.03 312.3,304 312.51,303.42 312.59,301.78 312.68,300.92 312.67,300.68 312.7,297.12 312.76,296.59 312.86,295.25 312.97,293.64 313.06,292.52 313.22,291.43 313.66,289.15 313.69,288.49 314.07,287.19 313.4,285.76 312.76,284.65 312.62,283.68 312.6,282.9 312.56,282.13 312.63,281.74 312.6,277.79 311.76,276.92 310.53,276.34 307.06,276.28 304.77,276.49 303.68,276.86 302.77,277.44 302.28,277.86 302.11,278.12 301.81,278.41 301.37,279.56
E5p10: length 35.1
  Top w0.15: 305.05,291.83 305.03,290.91 304.84,290.24 304.58,289.39 304.08,288.39 304.31,287.59 303.91,287.19 ; 305.05,291.83 306.15,291.73 306.81,291.42 307.3,291 307.59,290.43 307.72,284.29 307.87,283.43 308.03,282.35 308.25,281.79 308.47,280.96 308.99,279.56 ; 305.05,291.83 305.23,293.59 305.17,294.12 305.33,296.49 305.13,297.91 305.21,300.19 305.38,301.65 305.66,302.12 306.06,302.79 306.35,303.08 308.06,305.03 308.28,305.3 308.41,306.05 UE5.10
E5p11: length 57.6
  Top w0.15: 301.32,252.88 301.17,253.98 301.03,254.37 300.72,255.05 300.47,256.36 300.46,257.02 300.46,257.87 300.41,258.17 300.3,261.42 300.16,273.96 299.75,274.68 299.49,275.28 298.97,275.98 298.52,276.52 298.2,277.22 298.13,277.33 297.67,278.32 297.64,279.11 297.54,279.64 297.58,280.2 297.82,281.22 297.99,281.69 298.27,282.09 298.64,282.84 299.25,284 299.66,284.66 299.86,285.16 300.26,286.42 300.23,289.18 300.21,289.91 300.2,295.19 300.31,296.8 300.01,299.46 300.5,300.34 300.56,300.65 301.4,301.78 301.83,302.3 302.27,302.73 303.31,303.55 303.79,303.85 304.2,304.14 304.92,304.66 305.96,305.63 UE5.11
E6p2: length 19.6
  Top w0.15: UE6.2 345.82,297.61 346.47,296.71 346.71,295.05 347.12,293.57 347.19,284.8 347.18,284.49 347.11,283.4 346.82,282.41 346.55,281.36 346.45,280.93 346.19,280.48 345.85,279.5 345.82,279.47
E6p9: length 15.5
  Top w0.15: UE6.9 355.98,307.64 356.41,308.59 356.65,311.12 356.82,311.78 357.07,314.5 357.24,316.26 357.17,321.4 v1(357.08,321.48) 357.05,321.51
E6p11: length 8.1
  Top w0.15: 353.44,298.56 353.34,299.52 352.99,300.11 352.7,300.92 352.25,302.07 351.8,303.54 351.62,304.22 351.3,305.26 UE6.11
E6p13: length 24.2
  Top w0.15: 345.82,287.09 345.87,288.51 345.78,289.9 345.43,291.56 345.38,292.35 345.24,293.21 345.08,293.96 344.89,295.92 344.75,296.69 344.75,300.56 344.83,301.53 344.88,301.73 344.92,302.38 345.09,303.56 345.4,304.56 UE6.13 345.82,307.35 346.11,307.63 346.11,310.7 346,310.81 v1(345.96,310.81) 345.96,310.85 345.92,310.88
E8p4: length 12.2
  Top w0.15: 421.41,286.69 421.77,288.47 422.03,289.07 422.29,290.75 422.61,292 422.95,293.46 423.02,293.77 423.31,294.9 423.47,295.38 423.52,296.55 424.4,297.63 UE8.4
E8p5: length 12.1
  Top w0.15: 429.03,286.69 428.66,288.12 428.27,289.97 427.82,291.95 427.19,294.65 427.05,295.35 427.02,295.79 426.85,296.15 426.69,296.89 426.56,297.42 426.51,297.88 UE8.5
Entrex Backplane S01B53 to S13B53: length 7.6
  Top w0.15: 83.27,75.67 83.19,75.67 v1(83.16,75.7) 83.13,75.67 82.96,75.67 80.83,77.8 J2.53
F0p2: length 17
  Top w0.25: UG0.3 UG0.12 114.97,273.6 114.94,274.53 114.44,276.23 113.5,279.24 112.92,280.75 UF0.2
F0p4: length 9
  Top w0.25: UG0.11 117.8,279.11 117.8,280.45 117.83,280.82 117.84,281.39 UF0.4
F1p2: length 17.3
  Top w0.15: UF1.2 150.98,281.17 151.6,279.66 152.2,278.1 152.97,276.36 153.6,274.4 UG1.12 153.77,272.17 154.9,271.14 156.27,271.05 157.03,271.25 157.65,271.77 158.03,272.19 158.26,273.38 UG1.10
F1p6: length 17.8
  Top w0.15: UF1.6 160.54,281.43 161.14,280.05 161.36,278.49 161.49,277.86 161.65,276.97 161.75,276.25 161.97,274.43 161.98,274 161.98,272.68 162.01,272.64 161.46,270.95 160.99,270.13 159.98,268.61 159.42,267.91 158.56,266.67 UG1.5
F1p10: length 7.9
  Top w0.15: UF1.10 158.26,290.22 158.26,291.25 157.94,297.13 158.15,297.43 v1(158.07,297.43) 158.07,297.51 158.11,297.47
F1p11: length 6.1
  Top w0.15: 154.75,295.99 v1(154.71,295.94) 154.79,294.44 155.18,292.89 155.46,291.22 UF1.11
F2p1: length 5.2
  Top w0.15: UF2.1 188.64,281.22 188.75,280.98 188.75,279.72 188.83,279.51 188.93,277.96 188.64,277.67 v1(188.51,277.67) 188.51,277.54
F2p2: length 6.5
  Top w0.15: UF2.2 191.12,281.63 191.32,281.43 191.32,281.31 191.61,280.19 192.08,278.67 192.16,277.78 192.35,276.44 v1(192.37,276.41) 192.35,276.38 192.35,276.25
F2p3: length 18.7
  Top w0.15: UF2.3 193.35,284.29 193.16,285.16 193.16,289.59 UF2.12 193.45,291.96 193.5,292.96 193.66,293.72 193.66,293.72 193.77,294.48 194.5,295.51 195.5,295.82 198.02,295.93 v1(199.47,295.61) 199.49,295.64
F2p5: length 7.6
  Top w0.15: UF2.5 198.74,281.52 199.05,281.22 199.73,280.3 200.41,279.33 202.54,276.38 202.54,276.33 v1(202.57,276.31) 202.54,276.28 202.54,276.17
F2p9: length 4.8
  Top w0.15: 201.23,294.8 201.28,294.74 201.28,294.67 v1(201.17,294.56) 201.28,294.45 UF2.9
F2p11: length 3.7
  Top w0.15: 195.08,286.71 v1(195.03,286.73) 195.76,289.07 195.76,289.65 UF2.11
F3p10: length 7.6
  Top w0.25: UF3.7 UF3.10
F4p1: length 11.5
  Top w0.15: v1(262.7,268.43) 262.89,269.04 262.98,271.71 262.58,273.3 262.17,274.82 261.98,275.58 261.81,277.34 261.79,277.97 UF4.1
F4p3: length 23
  Top w0.15: UF4.3 266.81,278.9 267.68,277.88 268.02,277.51 268.61,277.03 269.21,276.53 270.65,275.71 271.62,275.12 271.97,274.76 272.11,274.23 272.1,272.81 271.69,272.4 UG4.12 271.15,269.49 270.34,268.66 267.85,267.55 267.36,267.21 265.82,266.27 265.35,265.77 264.78,265.21 264.07,264.01 UG4.2
F4p11: length 26.4
  Top w0.15: UG4.4 269.59,264.68 270.1,265.39 270.28,265.62 270.83,266.57 271.34,267.36 272.11,268.21 272.87,269.52 272.94,271.85 272.97,272.26 273.05,275.47 273.03,276.83 272.99,280.8 272.95,281.39 272.42,282.82 271.43,284.51 270.21,286.27 269.35,286.77 UF4.11
F4p12: length 8.1
  Top w0.15: UF4.12 266.24,285.84 265.74,284.8 265.28,283.16 264.61,281.68 UF4.2
F5p9: length 12
  Top w0.15: UF5.9 311.31,288.18 311.13,289.18 310.96,290.39 310.6,291.23 310.34,292.78 310.29,293.17 309.43,296.3 309.07,297.75 308.79,298.81
F5p11: length 8.1
  Top w0.15: UF5.11 305.93,285.89 305.65,285.16 305.54,284.95 305.1,283.94 304.75,283.13 304.3,282.08 303.85,280.84 303.83,280.45 303.91,279.56
F5p13: length 42
  Top w0.15: 311.48,252.88 311.29,254.37 311.18,255.16 310.89,255.83 310.66,256.65 310.4,257.93 310.28,258.93 310.16,263.06 310.17,269.17 310.01,272.2 310.01,272.57 309.39,273.31 308.28,273.77 306.78,274.34 305.72,274.58 304.61,274.83 303.67,274.9 302.89,275.1 301.45,275.8 300.57,276.52 300.31,276.84 299.53,277.73 299.12,278.56 298.83,279.56 299.07,280.72 299.29,281.31 299.66,282.45 300.04,283.38 300.34,284.34 300.75,285.11 300.94,285.76 301.19,286.04 UF5.13
F6p11: length 8.1
  Top w0.15: UF6.11 350.9,286.58 351.1,286.38 351.27,286.1 351.53,285.49 351.78,284.57 352.05,283.7 352.41,282.53 352.74,281.5 353.44,279.47
F7p2: length 41.3
  Top w0.15: UF7.2 382.43,277.88 382.25,277.13 382.13,276.64 381.75,275.7 381.64,275.18 381.45,273.71 381.45,253.23 381.14,252.92 381.31,251.75 381.48,250.83 381.58,248.68 382.32,246.63 382.46,245.81 v1(382.48,245.23) 382.32,244.94 382.45,243.94 382.33,242.87 381.85,241.37 381.55,240.21 381.4,239.83 381.12,239.14 380.94,238.89 380.99,238.84 v1(380.99,238.79) 381.04,238.79 381.07,238.76
F7p3: length 34.1
  Top w0.15: UF7.3 384.91,278.11 384.45,277.22 384.17,276 383.89,274.99 383.89,272.41 383.91,272.1 383.94,271.59 383.91,269.61 383.78,269.19 383.5,266.71 383.28,265.58 383.08,264.62 382.52,263.48 382.52,262.63 383.01,261.03 383.54,260.17 384.05,259.4 384.54,258.94 384.91,258.44 385.34,258.25 386.46,257.42 387.66,256.7 389.98,255.87 390.3,255.73 392.71,255.02 393.45,254.64 394.21,254.27 394.42,253.7 395.02,252.56
G0p1: length 28.6
  Top w0.25: UG0.1 110.49,266.27 111.11,268.12 111.35,268.8 111.44,285.42 111.48,286.56 111.45,287.19 111.46,291.2 111.49,291.64 111.44,292.03 111.59,293.29 111.98,293.62 v1(111.98,293.71) 112.07,293.71 111.98,293.61
G0p2: length 2.4
  Top w0.25: JP6.1 112.58,263.67 UG0.2
G0p5: length 2.4
  Top w0.25: JP3.1 120.2,263.5 UG0.5
G0p6: length 2.4
  Top w0.25: JP2.1 122.74,263.51 UG0.6
G1p2: length 46.6
  Top w0.15: 149.24,312 149.3,311.94 v1(149.35,311.83) 149.27,288.77 149.47,288.25 149.3,288.07 149.24,281.13 149.47,279.66 149.9,277.56 150.41,275.57 UG1.13 150.82,272.3 150.92,266.64 150.63,266.34 UG1.2
G2p1: length 51.7
  Top w0.15: UK2.13 191.81,221.52 191.97,221.68 192.35,222.33 192.52,223 192.88,223.72 192.78,226.27 191.95,227.2 189.7,227.49 188.58,228.53 UJ2.1 188.58,229.72 190.12,231.22 191.44,233.21 192.34,235.29 192.64,239.76 192.85,240.66 192.74,242.65 192.78,243.19 192.55,245.28 192.45,245.89 192.45,258.26 191.9,259.83 191.9,260.02 190.04,263.33 189.35,264.64 188.53,265.46 UG2.1
G2p2: length 57.8
  Top w0.15: 197.93,262.79 199.49,262.17 200.09,261.86 201.57,260.3 202.4,257.6 202.64,255.23 202.61,252.71 202.64,251.77 202.64,245.25 202.58,245.2 202.74,235.14 203.6,233.82 203.58,232.8 202.61,230.21 202.61,226.78 202.94,225.56 203.39,223.21 203.61,222.63 203.72,221.33 203.81,221.23 ; 197.93,262.79 197.23,262.92 195.78,263.52 194.84,264.35 193.61,265.09 UG2.3 UG2.2 ; 197.93,262.79 198.48,263.65 198.69,264.38 UG2.5 ; 203.81,221.23 UK2.8 ; 203.81,221.23 203.8,221.49
G2p6: length 10.8
  Top w0.15: UH2.8 203.86,256.87 203.7,257.57 203.23,259.34 202.53,261.26 201.99,262.95 201.36,264.72 UG2.6
G2p10: length 20.9
  Top w0.15: UG2.10 198.69,274.82 198.26,275.25 198.1,275.86 197.76,276.99 197.42,278.67 197.29,286.52 197.31,291.94 v1(197.15,294.01) 197.23,293.91
G2p12: length 25.2
  Top w0.15: UG2.12 193.84,272.52 193.69,271.76 193.48,270.5 192.85,269.55 191.32,269.05 189.88,269.53 189.43,270.34 189.64,272.13 189.88,272.86 189.98,276.23 190.11,276.57 190.32,277.72 189.98,281.17 189.69,285.34 189.06,286.47 v1(189.06,286.89) 189.06,286.87
G2p13: length 2.4
  Top w0.15: 191.03,271.42 v1(190.98,271.42) 190.98,271.37 191.03,271.42 ; 191.03,271.42 191.07,271.46 UG2.13
G3p2: length 10.4
  Top w0.15: UG3.2 231.35,264.72 231.6,264.47 231.55,264.42 UH3.13
G3p8: length 9.5
  Top w0.15: UF3.6 241.78,281.38 241.98,280.49 243.47,276.59 243.62,275.72 243.96,275.27 244.05,275.18 UG3.8
G3p9: length 18.4
  Top w0.15: UH3.8 243.19,259.65 243.01,261.66 242.83,265.58 242.72,271.23 242.7,271.58 242.4,272.19 UG3.9
G3p11: length 17.9
  Top w0.15: UF3.11 241.23,289.28 240.86,288.25 240.5,287.59 240.28,285.45 240.43,283.27 240.28,281.54 239.71,279.55 237.61,276.25 UG3.11
G3p12: length 9.1
  Top w0.15: UG3.12 234.08,277.37 234.13,278.34 234.13,278.99 UF3.3
G5p3: length 5.5
  Top w0.15: UG5.3 303.91,263.71 304.13,264.16 304.04,265.78 303.89,267.15 303.87,267.6 v1(303.75,268.27) 303.75,268.24
G6p1: length 18.3
  Top w0.15: UG6.1 343.19,262.06 343.74,261.51 343.99,259.72 344.24,258.63 344.5,257.97 344.73,255.99 344.72,255.02 344.72,253.86 344.62,252.71 344.68,251.85 344.83,251.17 344.7,250.45 344.53,249.68 344.42,249.06 344.27,248.32 344.1,247.62 343.82,246.7 343.18,245.19
G6p2: length 57.8
  Top w0.15: 348.52,240.95 349.52,242.71 349.59,259.46 349.74,264.59 349.35,266.12 348.78,266.8 348.02,266.99 347.76,266.99 347.23,266.97 346.81,266.73 346.44,266.08 345.98,265.1 345.82,264.2 345.73,264.11 UG6.2 ; 348.52,240.95 348.76,240.03 349,239.61 349.67,238.75 350.23,238.12 350.23,237.89 350.5,237.29 350.8,236.19 350.8,235.64 351.59,235.17 351.94,234.87 352.42,234.35 352.84,234.04 353.28,233.78 353.7,233.22 353.94,232.89 354.19,232.49 354.47,231.98 354.47,223.85 354.14,223.53 v1(354.07,223.53) 354.07,223.46 354.11,223.49 ; 348.52,240.95 348.15,240.95 347.95,241.41 347.32,242.18 346.52,243.5 345.72,245.19
G6p3: length 10.5
  Top w0.15: UG6.3 348.27,262.11 348.76,261.2 348.87,254.69 348.26,254.08 348.26,252.81
G6p6: length 10.2
  Top w0.15: 355.88,252.81 355.61,253.84 355.74,260.98 355.74,261.73 355.89,261.88 UG6.6
G6p12: length 16
  Top w0.15: 353.27,256 353.24,256.03 v1(353.24,256.06) 353.21,256.06 353.24,256.65 352.95,257.18 352.7,257.98 352.26,259.46 352.23,260.58 352.2,261.62 351.93,265.32 351.92,265.62 351.34,266.68 351.04,267.13 350.6,267.86 349.65,269.01 349.3,269.48 UG6.12
G6p13: length 15.3
  Top w0.15: UG6.13 345.62,269.39 345.53,268.97 345.07,267.63 344.74,266.64 344.74,263.8 344.58,263.63 344.74,261.12 344.72,260.37 344.95,259.41 345.13,258.85 345.5,257.85 345.83,257.19 v1(346.79,256.12) 346.69,256.17
G7p6: length 6.5
  Top w0.15: 392.92,259.1 393.21,257.97 393.18,257.46 393.32,256.73 393.3,256.71 ; 392.99,258.77 392.68,260.23 UG7.6 ; 393.3,256.71 393.25,256.66 v1(393.3,256.66) 393.3,256.71
G7p10: length 14.7
  Top w0.15: UG7.10 389.93,271.12 389.71,271.69 389.11,272.27 388.7,272.79 388.54,273.03 387.51,274.8 387.03,275.58 386.77,276.12 386.47,277.13 386.45,277.63 386.45,283.71 v1(386.42,283.75) 386.45,283.79 386.45,283.86
G8p9: length 13.5
  Top w0.15: UG8.9 428.4,271.32 427.59,272.24 427.59,272.29 426.88,272.8 426,273.17 425.31,273.41 423.92,273.56 422.48,273.56 421.86,273.44 420.68,273.1 419.88,272.6 419.27,271.83 419.15,271.6 418.77,270.13
G8p10: length 11.1
  Top w0.15: 427.44,267.24 427.17,267.9 UG8.10 ; 427.68,259.3 427.68,259.46 v1(427.66,259.49) 427.61,266.45 427.42,267.32
H0p2: length 19.4
  Top w0.25: UH0.2 112.37,246.28 111.38,243.2 111.5,240.39 111.35,240.25 111.35,235.78 111.51,234.76 111.39,233.3 111.22,232.34 110.35,229.77 109.94,229.56 UJ0.1
H0p8: length 3
  Top w0.25: UH0.8 125.23,258.29 JP1.2
H0p9: length 3.3
  Top w0.25: JP2.2 122.97,258.2 122.97,257.19 ; 122.99,257.35 122.97,257.19 ; 122.97,257.19 UH0.9
H0p10: length 3
  Top w0.25: JP3.2 120.15,258.21 UH0.10
H0p11: length 3
  Top w0.25: JP4.2 117.83,258.29 117.83,257.34 UH0.11
H0p12: length 3
  Top w0.25: JP5.2 115.27,258.32 115.27,257.24 UH0.12
H0p13: length 3.1
  Top w0.25: UH0.13 112.53,258.14 JP6.2
H1p3: length 7.9
  Top w0.15: UH1.3 152.63,245.27 152.49,244.15 152.15,242.58 151.89,241.72 v1(151.81,240.57) 151.89,240.53 152,240.42
H1p5: length 13
  Top w0.15: UJ1.8 163.33,237.89 161.36,240.12 160.73,241.46 160.35,242.13 159.57,243.48 158.6,245.94 UH1.5
H1p10: length 19.3
  Top w0.15: UH1.10 158.27,256.9 157.66,257.83 157.03,258.44 156.18,259.01 154.57,259.26 153.32,259.15 152.41,258.94 152.01,258.46 151.85,257.12 151.98,255.29 151.83,253.6 151.65,252.78 151.24,250.47 150.94,249.47 UH1.2
H1p11: length 7.6
  Top w0.15: UH1.11 UH1.4
H2p1: length 4.7
  Top w0.15: 188.58,243.26 188.58,243.27 v1(188.63,243.32) 188.58,243.36 UH2.1
H2p12: length 14.6
  Top w0.15: UH2.5 198.38,249.33 197.71,250.18 197.27,250.9 196.51,251.93 ; 196.51,251.93 195.9,251.93 194.18,250.04 UH2.3 ; 196.51,251.93 196.17,252.4 195.19,253.76 193.66,255.54 UH2.12
H3p4: length 11.2
  Top w0.15: 237.78,258.99 v1(237.78,258.95) 237.82,258.95 237.66,253.6 237.59,253.05 237.41,251.2 237.05,249.85 UH3.4
H3p5: length 6.5
  Top w0.15: 238.87,241.54 v1(238.87,241.72) 238.87,246.44 239.17,246.74 UH3.5
H3p9: length 7.6
  Top w0.15: UH3.9 241.57,253.81 241.55,250.89 UH3.6
H3p12: length 19.5
  Top w0.15: UJ3.13 231.79,238.48 232.02,239.1 232.39,240.7 232.7,241.97 232.87,245.97 232.84,246.33 232.87,247.51 232.87,251.92 233.07,253.72 233.25,254.33 UH3.12
H4p6: length 6.3
  Top w0.15: C11.1 271.44,241.52 271.83,241.97 272.08,242.43 272.76,243.27 273.06,243.78 274.23,245.14 UH4.6
H4p7: length 7
  Top w0.15: R67.1 276.86,240.49 C11.2 276.97,240.6 276.97,242.55 276.89,242.74 276.81,243.33 276.82,244.01 UH4.7
H4p12: length 19.5
  Top w0.15: UG4.10 276.77,270.12 276.2,269.63 275.99,269.18 275.65,268.51 275.53,268.13 275.43,267.57 275.4,266.23 275.34,262.3 275.42,260.89 275.42,260.53 275.22,258.91 274.81,258.02 274.32,257.19 273.66,256.18 272.79,255.18 271.69,253.99 UH4.12
H4p14: length 5.5
  Top w0.15: UH4.14 266.61,254.47 266.79,255.08 267.34,255.67 268.46,256.05 C56.2
H4p15: length 3.1
  Top w0.15: C56.1 264.07,255.32 UH4.15
H5p5: length 4.9
  Top w0.15: 308.74,240.43 308.74,240.47 v1(308.8,240.54) 308.74,240.6 308.74,243.99 308.74,244.09 308.77,244.38 UH5.5
H5p6: length 13.9
  Top w0.15: 298.79,247.84 v1(298.82,247.92) 305.26,248.02 306.79,248.08 307.29,248.08 308.25,247.98 309.11,247.73 309.81,247.33 310.47,246.9 310.93,246.21 UH5.6
H5p12: length 5.3
  Top w0.15: 303.86,258.06 303.86,258.01 v1(303.83,257.99) 303.86,257.96 303.86,255.86 ; UH5.12 303.72,253.88 303.69,254.28 303.86,255.91
H6p13: length 5.5
  Top w0.15: UH6.13 346.28,251.74 346.56,250.57 346.73,248.55 346.91,248.37 346.91,247.81 v1(346.87,247.78) 346.91,247.74 346.91,247.6 346.93,247.58
H7p3: length 10.4
  Top w0.15: 384.86,244.94 385.08,244.72 385.34,243.79 385.59,243.17 385.64,243.17 385.78,242.76 386.76,241.38 386.8,241.23 386.89,241.11 387.22,240.79 387.72,240.27 387.9,239.91 388.23,239.54 389.21,238.1 389.74,237.23 389.94,236.1
H7p12: length 9.2
  Top w0.15: 384.86,252.56 386.02,250.82 ; 389.94,244.94 389.53,245.82 389.36,246.16 389.19,246.67 388.69,247.49 387.76,248.6 387.44,249.06 387.03,249.6 386.04,250.82
J0p3: length 2.5
  Top w0.25: 115.23,226.57 v3(115.15,226.57) 115.15,226.66 115.02,226.78 UJ0.3
J0p10: length 14.3
  Top w0.25: 120.28,241.22 120.31,241.24 v1(120.31,241.19) 120.25,241.19 120.34,239.96 UJ0.10 119.5,235.12 118.2,234.62 117.35,234.59 115.86,234.56 114.79,234.62 113.84,235.04 112.99,235.63 112.48,236.56
J1p1: length 25.8
  Top w0.15: UJ1.1 148.44,227.83 148.76,226.77 148.99,225.85 149.09,224.79 149.35,220.14 149.29,219.26 149.39,217.93 149.46,217.75 149.3,217.2 149.35,215.75 148.97,214.45 UK1.1 148.17,210.66 148.27,209.99 148.44,209.08 148.89,206.8 149.17,205.66 149.5,203.74 149.55,203.69 v1(149.59,203.69) 149.59,203.64
J1p11: length 8.4
  Top w0.15: UJ1.11 155.79,238.07 155.54,238.95 155.52,239.62 155.21,240.47 155,242.15 154.73,243.34 154.45,244.09 154.45,244.5 v1(154.49,244.53) 154.45,244.57 154.45,244.59
J1p13: length 70.9
  Top w0.15: 152.07,227.57 152.08,229.33 152,229.41 151.73,233.31 151.11,235.4 UJ1.13 ; UM1.13 150.73,172.07 150.73,172.08 150.13,173.68 149.7,176.99 149.78,178.53 149.66,178.66 149.66,180.22 149.81,180.37 149.72,180.45 149.72,183.38 150.05,184.6 UL1.13 150.73,188.46 154.98,193.19 155.23,197.97 154.98,199 155.15,199.27 154.2,201.46 153.36,202.36 v1(153.3,202.41) 153.36,202.47 153.36,202.6 151.13,205.77 150.56,206.88 149.53,209.16 149.29,212.87 150.35,215.18 151.27,216.86 151.92,218.62 152.09,221.4 152.11,221.41 151.97,226.1 152.08,227.81
J2p4: length 9.5
  Top w0.15: UK2.12 193.71,221.39 194.45,223.4 195.02,225.37 195.83,226.96 UJ2.4
J2p10: length 4.8
  Top w0.15: v1(201.89,233.51) 201.82,233.58 201.82,233.61 ; v1(201.89,233.51) 201.82,233.44 201.82,233.41 ; v1(201.89,233.51) 201,234.13 200.01,234.78 199.39,235.15 UJ2.10
J2p11: length 6.9
  Top w0.15: 196.18,243.11 v1(196.2,243.21) 196.32,240.89 196.42,236.73 UJ2.11
J2p12: length 10.3
  Top w0.15: UJ2.12 195.15,234.78 196.25,233.1 196.9,232.04 197.1,231.6 197.75,230.71 198.39,229.86 UJ2.5 198.37,229.92
J2p13: length 6.7
  Top w0.15: UJ2.13 v1(191.05,243.08) 191.12,243.11 191.16,243.15
J3p3: length 65.5
  Top w0.15: UF3.14 233.63,289.13 232.79,288.6 232.12,288.27 231.39,287.82 230.74,287.22 230.34,286.25 230.22,285.54 230.15,277.11 230.88,275.71 231.35,274.87 UG3.13 230.97,271.63 230.84,271.22 230.64,270.8 230.35,269.57 229.81,267.85 UG3.1 229.55,264.59 229.73,264.2 230.05,263.61 230.24,262.39 230.32,261.36 230.32,247.63 ; 230.32,247.76 230.25,235.39 230.39,235.06 230.42,234.26 230.61,233.68 231.24,232.7 232.56,231.16 233.48,230.17 UJ3.3
J3p8: length 17.9
  Top w0.15: 243.63,218.95 v1(243.71,219.04) 243.51,219.79 243.15,222.53 243,223.74 242.91,227.56 242.94,227.59 242.91,227.61 242.92,232.94 243.43,234.58 243.71,235.33 UJ3.8
J3p11: length 46.9
  Top w0.15: UJ3.11 237.25,235.23 237.75,233.98 237.9,232.19 237.89,231.2 237.96,226.98 237.93,227.04 237.84,220.73 237.73,218.14 237.7,213.45 237.68,210.67 237.67,209.2 237.67,205.65 235.85,200 235.51,196.96 235.34,194.23 236.75,192.12 237.09,191.89 237.54,191.39 237.64,191.28 v1(237.74,191.28) 237.74,191.19 237.8,191.13
J7p6: length 5.1
  Top w0.15: UJ7.6 392.05,228.05 391.94,227.04 391.52,226.2 391.46,225.83 391.21,225.01 390.48,223.94
K0p1: length 6
  Top w0.25: UK0.1 115.39,208.61 C57.1
K0p5: length 6.1
  Top w0.25: UK0.5 124.98,206.52 C64.1
K0p10: length 4.3
  Top w0.25: UK0.10 125.55,217.58 125.55,218.71 125.48,219.89 C72.1
K1p5: length 5
  Top w0.15: UK1.5 158.25,207.81 158.42,207.64 v1(158.42,207.6) 158.45,207.6 158.49,207.57
K1p9: length 14.2
  Top w0.15: UK1.2 151.82,215.46 153.14,216.18 154.58,216.43 157.23,216.57 158.27,217.11 159.64,217.72 160.5,218.76 UK1.9
K1p10: length 24.9
  Top w0.15: 157.08,243.1 157.08,243.21 ; 157.08,243.1 v1(157.12,244.56) 157.08,244.54 ; 157.08,243.1 157.08,241.44 157.08,240.71 157.17,240.69 156.95,236.56 157.06,234.99 157,233.94 157.04,229.43 157,227.78 156.88,226.89 157.02,225.48 157.11,223.78 157.55,222.02 UK1.10
K2p2: length 13.8
  Top w0.15: 189.89,225.72 189.89,225.69 v1(189.93,225.65) 189.89,225.62 189.89,218.13 190.1,215.67 190.47,214.85 190.78,213.73 191.16,213.08 191.17,213.06 UK2.2
K2p9: length 17.3
  Top w0.15: 202.51,203.03 v1(202.45,203.12) 202.59,217.06 202.5,217.93 202.28,218.8 UK2.9 201.43,219.79
K2p11: length 33.9
  Top w0.15: UK2.11 197.03,217.59 197.17,216.9 197.48,214.89 197.48,205.8 197.51,205.76 v1(197.52,205.73) 196.83,204.4 195.97,201.6 195.53,197.8 195.56,193.63 194.78,191.14 194.46,190.34 193.56,188.7 UL2.12
K5p1: length 19.8
  Top w0.15: 306.22,179.31 305.35,180.27 305.05,180.75 304.4,181.44 304.15,181.82 303.71,182.44 303.38,182.88 302.72,184.21 302.61,185.85 302.61,186.16 302.54,189.5 302.45,190.32 302.32,191.08 302.06,191.63 301.87,192.02 301.67,192.46 300.82,193.66 300.18,194.4 299.94,194.74 299.44,195.34 299.05,195.83 298.83,196.33 UK5.1
K5p3: length 19.9
  Top w0.15: UK5.3 303.87,195.92 304.33,195.36 304.88,194.83 305.97,193.69 306.36,193.35 307.2,192.58 307.59,192.19 308.28,191.51 308.99,190.49 309.3,189.94 309.55,189.26 309.79,188.43 309.99,187.43 310.08,185.27 310.08,184.5 310.13,183.43 310.15,182.61 310.55,181.18 310.77,180.34 311.3,179.31
K5p5: length 18.8
  Top w0.15: UK5.5 308.93,195.6 309.17,194.92 309.4,194.59 309.73,194.13 310.2,193.47 310.92,192.4 311.13,192.01 311.49,191.56 311.91,190.8 312.06,190.26 312.36,189.41 312.44,186.25 312.38,184.62 312.36,184.63 v1(312.36,184.59) 312.41,184.59 312.45,184.54 312.27,183.99 312.24,183.43 312.48,182.78 312.85,181.28 313.34,180.27 313.84,179.31
K5p13: length 27.2
  Top w0.15: UK5.13 301.48,203.45 301.92,202.34 302.26,200.78 302.32,200.09 302.27,197.11 302.52,194.62 303.35,193.2 303.9,192.14 304.82,190.03 305.14,184.47 305.35,183.35 305.53,182.7 306.14,182.13 307.2,181.24 307.84,180.7 308.25,180.19 308.76,179.31
K6p4: length 13.4
  Top w0.15: 347.03,199.18 v1(347.03,199.31) 347.03,199.88 347.2,200.64 347.51,201.86 348.16,203.43 348.74,205.34 349.09,206.6 349.56,208.18 349.76,208.51 350.02,209.69 350.43,210.81 UK6.4
K6p6: length 5.5
  Top w0.15: 354.03,207.03 354.49,208.07 354.84,208.85 355.15,209.52 355.47,210.89 355.39,211.59 UK6.6
K6p7: length 5.6
  Top w0.15: UK6.7 358.16,211.82 358.52,210.88 358.68,210.49 358.71,210.49 358.85,210.15 359.19,209.57 359.5,208.8 360.03,208.06 360.38,207.03
K6p14: length 5.9
  Top w0.15: UK6.14 348.21,220.91 348.33,221.26 348.68,221.92 348.88,222.13 349.28,222.47 349.61,222.54 350.58,222.61 351.61,222.61 351.88,222.34
K6p15: length 2.7
  Top w0.15: 345.53,222.34 345.67,222.19 UK6.15
K7p2: length 12.6
  Top w0.15: UK7.2 382.22,212.11 382.26,212.74 382.07,213.58 381.79,214.75 381.67,216.09 381.13,218.25 381.13,220.39 381.32,221.63 381.25,223.84 v1(381.06,224.02)
K7p9: length 33.1
  Top w0.15: 394.62,186.44 393.93,193.96 393.65,198.22 393.45,201.23 393.28,202.94 393.34,205.54 393.37,207.01 393.49,208.76 393.54,214.91 393.34,216.68 393.25,217.46 392.79,218.37 UK7.9
K7p12: length 7.7
  Top w0.15: 390.77,215.19 390.76,215.21 v1(390.76,215.25) 390.72,215.25 390.43,215.54 389.84,215.87 389.35,215.94 388.87,216.27 387.88,216.53 387.08,217.08 386.27,217.46 384.76,218.62 UK7.12
